# KiCad board MAXI030.kicad_pcb
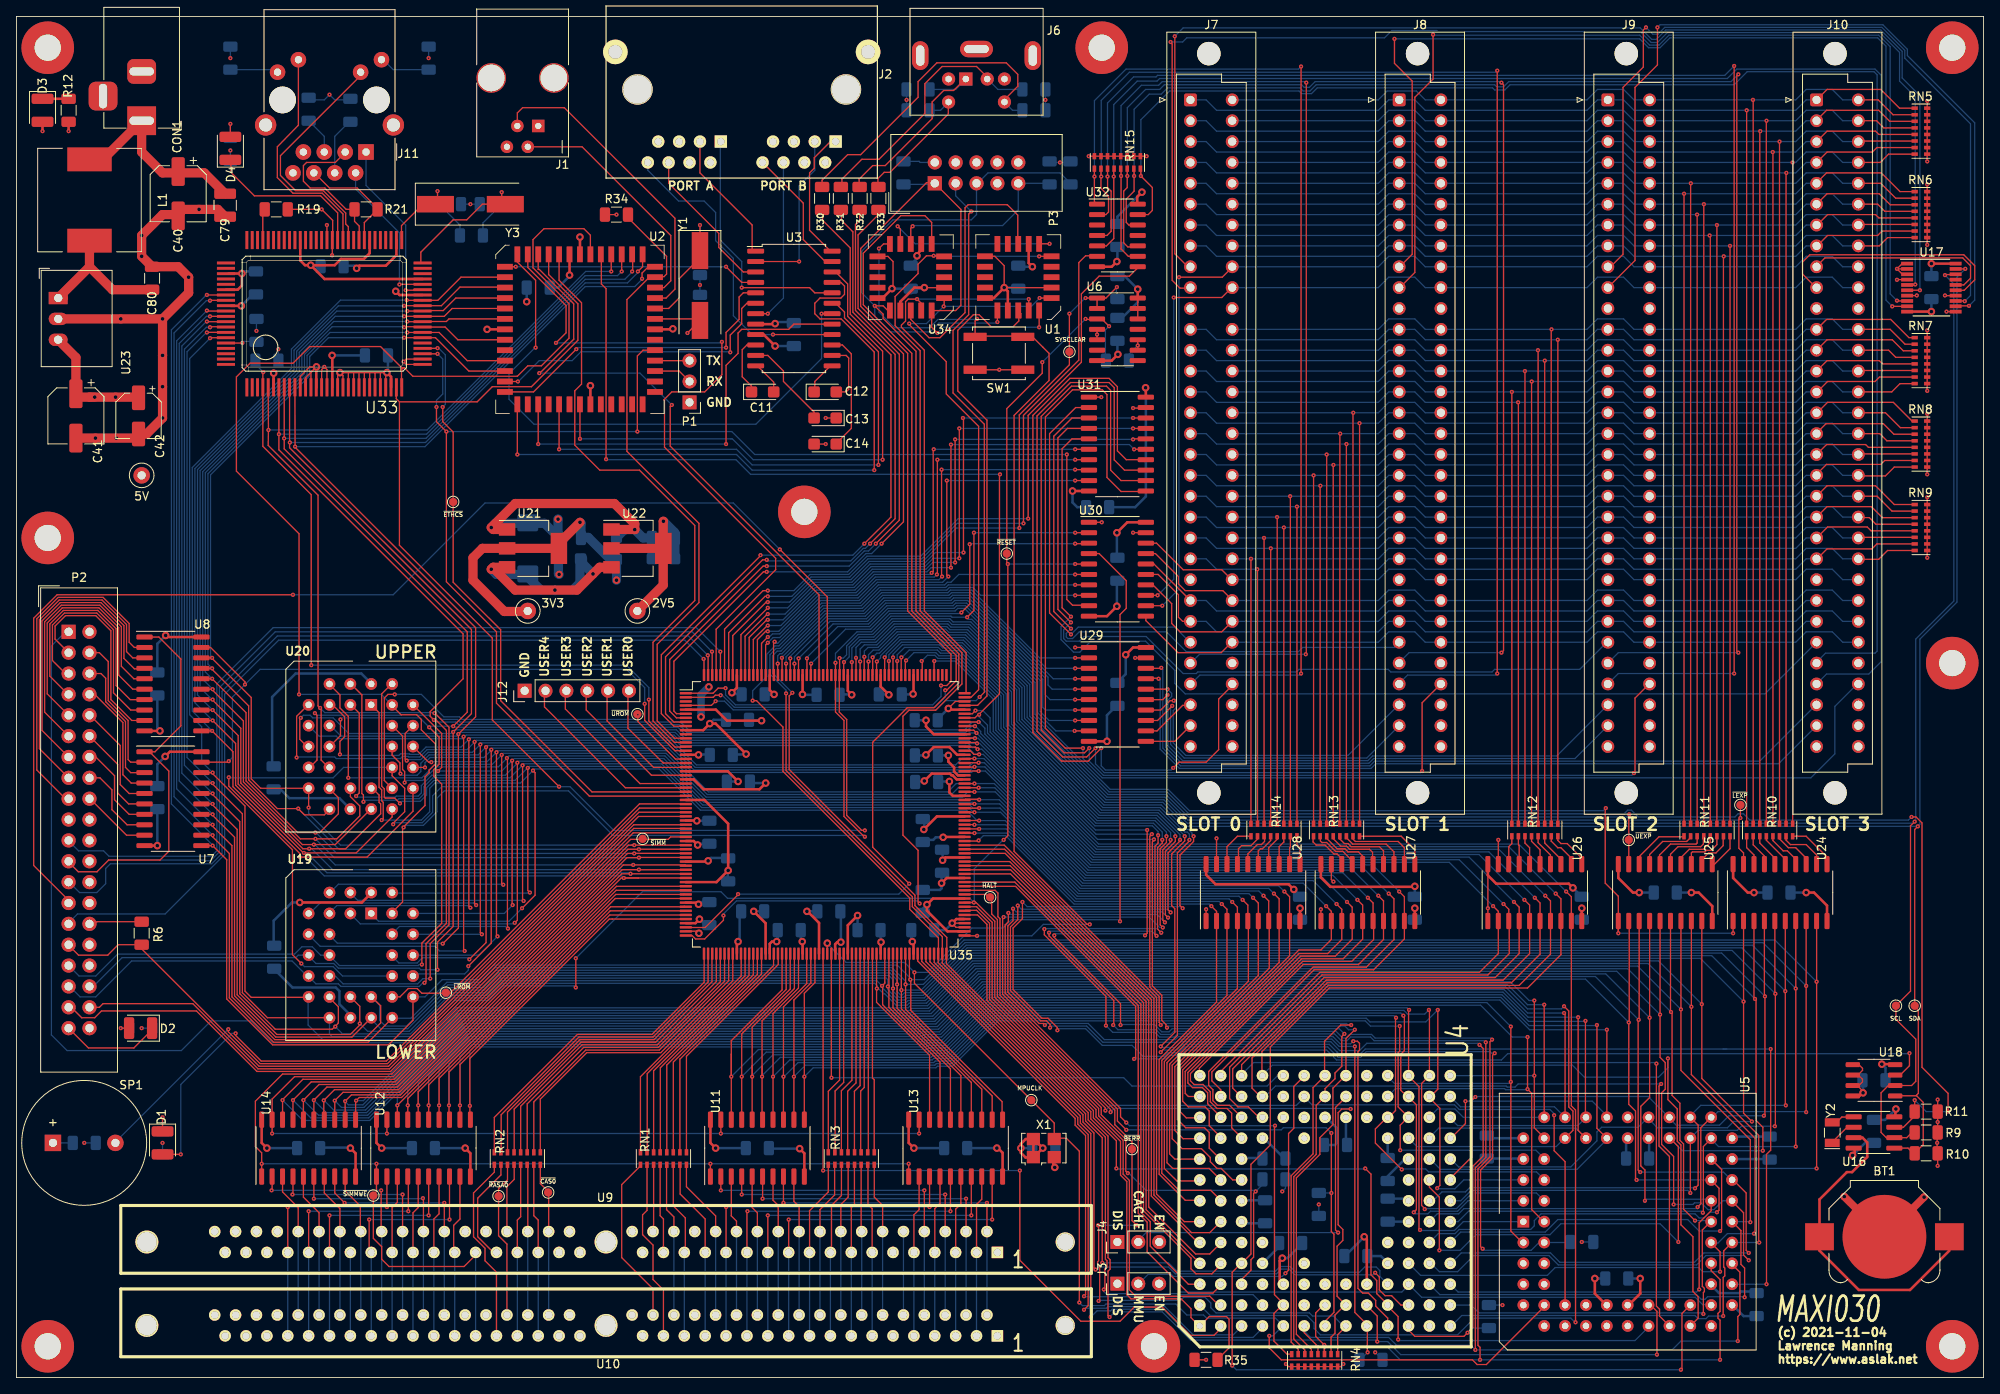
[diagram p0: board, top side]
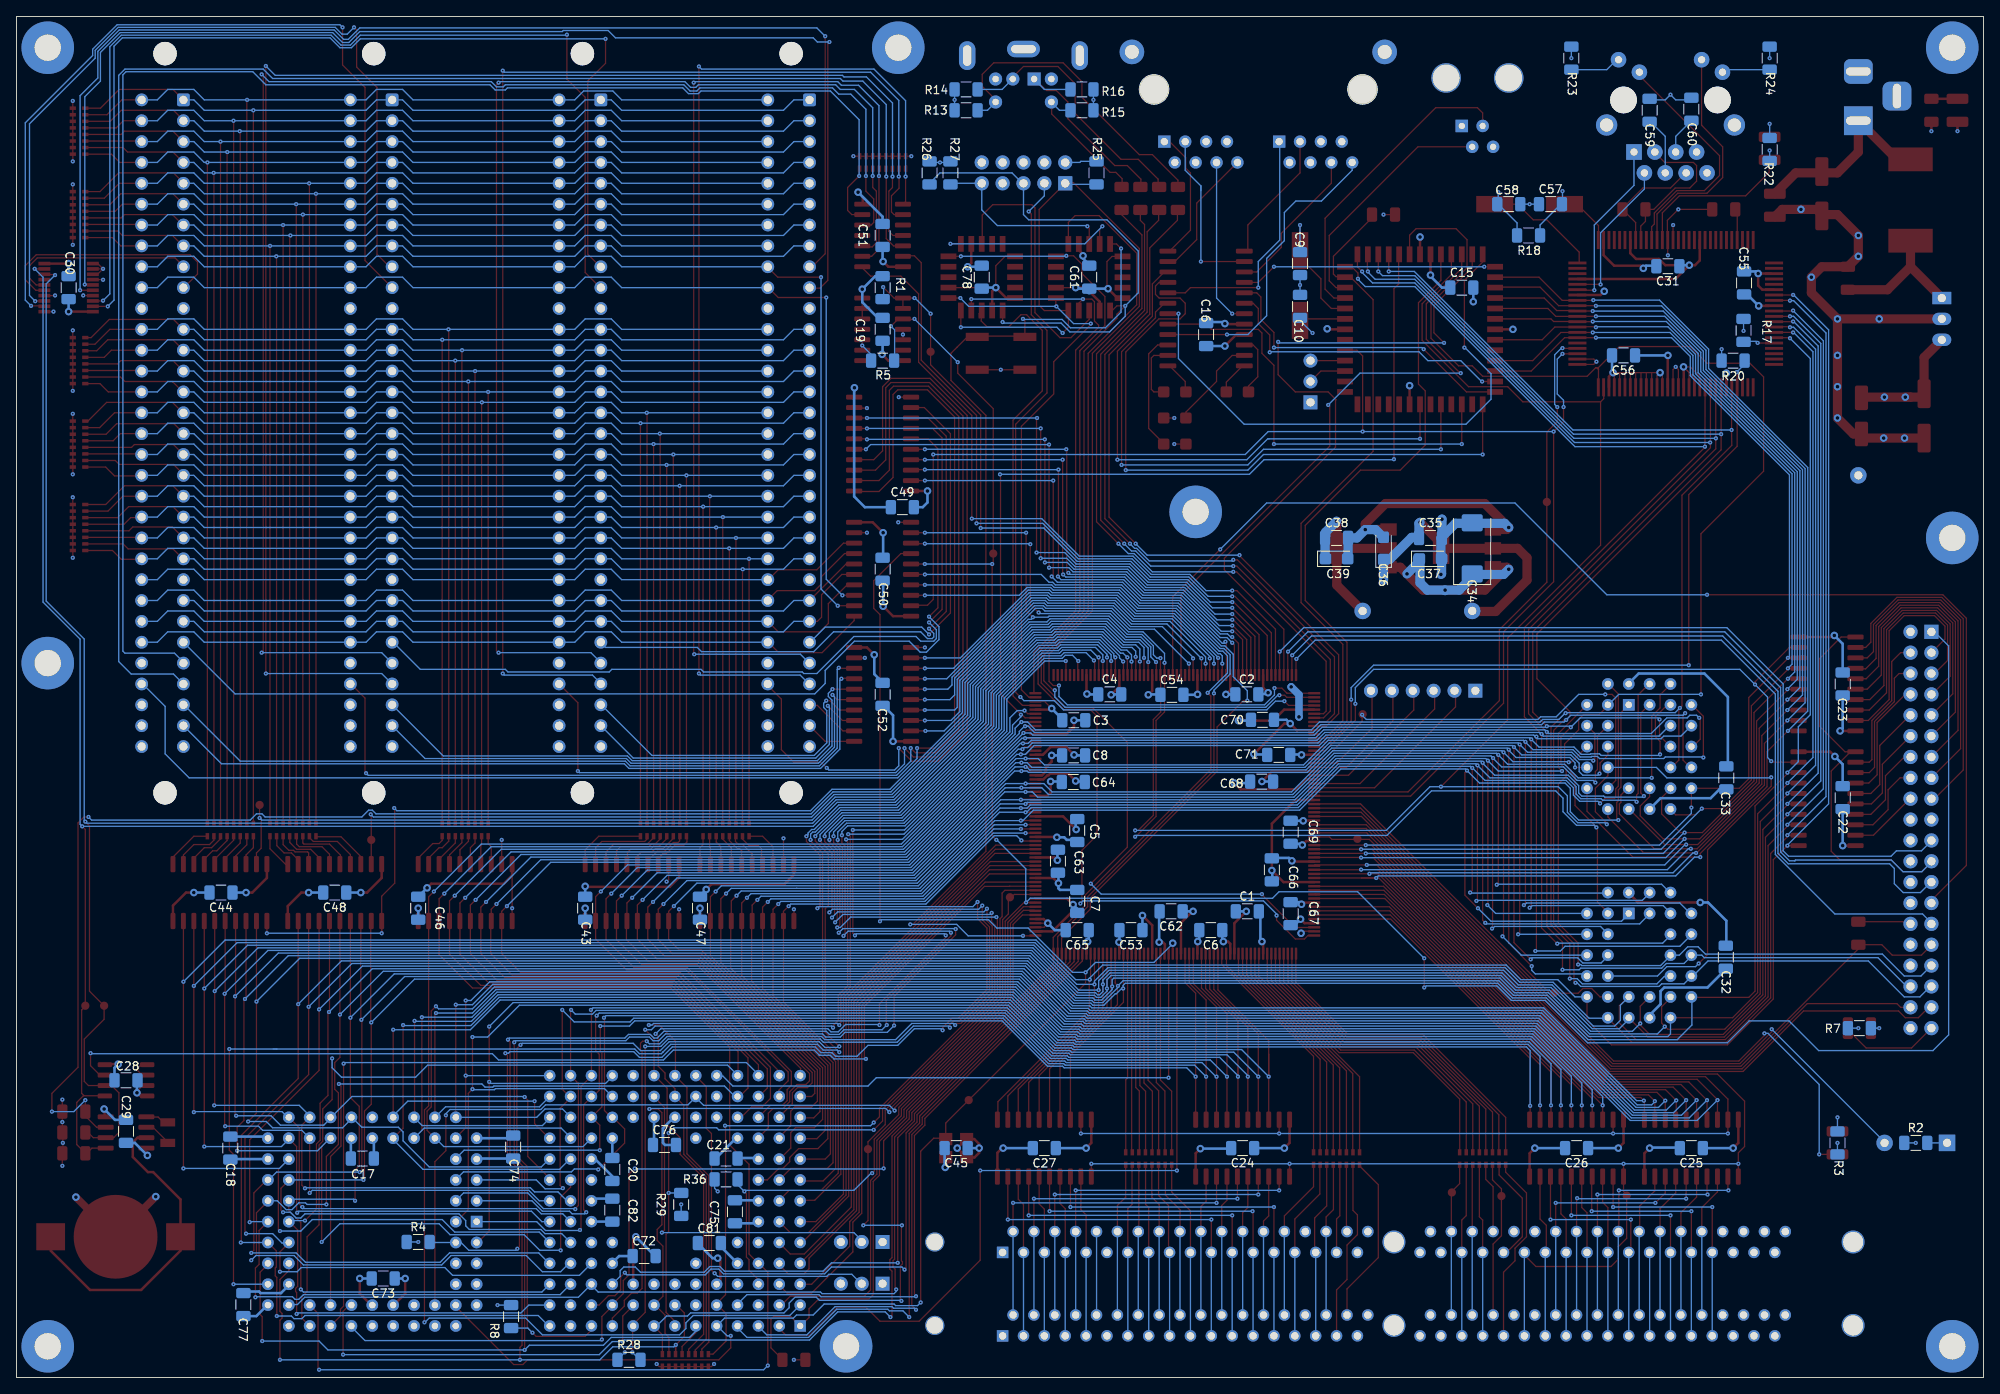
[diagram p1: board, bottom side, seen from below]

Outline 239.4 x 165.74 mm; copper layers: Top, Vcc.Cu (plane), GND..Cu (plane), Bottom. Coordinates in mm from the lower left corner of the outline.
Outline path: 0,165.74 239.4,165.74 239.4,0 0,0 0,165.74

## Placement (name value [footprint] x y rotation side)
BT1  Battery_Cell  [BatteryHolder_Keystone_3000_1x12mm]  227.33 17.15 0 top
C1  0.1u  [C_1206_3216Metric]  89.6 56.77 180 bottom
C2  0.1u  [C_1206_3216Metric]  89.66 83.19 180 bottom
C3  0.1u  [C_1206_3216Metric]  110.72 80.04 0 bottom
C4  0.1u  [C_1206_3216Metric]  106.35 83.19 180 bottom
C5  0.1u  [C_1206_3216Metric]  110.3 66.61 270 bottom
C6  0.1u  [C_1206_3216Metric]  94.05 54.48 0 bottom
C7  0.1u  [C_1206_3216Metric]  110.3 57.98 90 bottom
C8  0.1u  [C_1206_3216Metric]  110.74 75.76 180 bottom
C9  22p  [C_1206_3216Metric]  83.19 135.64 270 bottom
C10  22p  [C_1206_3216Metric]  83.19 130.43 90 bottom
C11  1.0u  [CP_EIA-3216-18_Kemet-A]  90.81 120.02 0 top
C12  1.0u  [CP_EIA-3216-18_Kemet-A]  98.43 120.02 0 top
C13  1.0u  [CP_EIA-3216-18_Kemet-A]  98.43 116.84 180 top
C14  1.0u  [CP_EIA-3216-18_Kemet-A]  98.43 113.66 180 top
C15  0.1u  [C_1206_3216Metric]  63.5 132.72 180 bottom
C16  0.1u  [C_1206_3216Metric]  94.62 127 90 bottom
C17  0.1u  [C_1206_3216Metric]  197.29 26.67 0 bottom
C18  0.1u  [C_1206_3216Metric]  213.36 27.94 270 bottom
C19  0.1u  [C_1206_3216Metric]  133.99 127.63 270 bottom
C20  0.1u  [C_1206_3216Metric]  166.88 25.34 270 bottom
C21  0.1u  [C_1206_3216Metric]  153.04 26.67 180 bottom
C22  0.1u  [C_1206_3216Metric]  17.15 70.62 270 bottom
C23  0.1u  [C_1206_3216Metric]  17.15 84.46 270 bottom
C24  0.1u  [C_1206_3216Metric]  90.17 27.94 0 bottom
C25  0.1u  [C_1206_3216Metric]  35.56 27.94 0 bottom
C26  0.1u  [C_1206_3216Metric]  49.53 27.94 0 bottom
C27  0.1u  [C_1206_3216Metric]  114.3 27.94 0 bottom
C28  0.1u  [C_1206_3216Metric]  226.06 36.2 0 bottom
C29  0.1u  [C_1206_3216Metric]  226.06 29.98 270 bottom
C30  0.1u  [C_1206_3216Metric]  233.05 132.72 270 bottom
C31  0.1u  [C_1206_3216Metric]  38.42 135.32 0 bottom
C32  0.1u  [C_1206_3216Metric]  31.37 51.18 270 bottom
C33  0.1u  [C_1206_3216Metric]  31.31 73.03 270 bottom
C34  47u  [CP_EIA-7343-15_Kemet-W]  62.23 100.97 90 bottom
C35  0.1u  [C_1206_3216Metric]  67.31 102.24 180 bottom
C36  10u  [CP_EIA-3216-10_Kemet-I]  73.03 100.97 90 bottom
C37  10u  [CP_EIA-3216-10_Kemet-I]  67.31 99.69 180 bottom
C38  0.1u  [C_1206_3216Metric]  78.74 102.24 180 bottom
C39  10u  [CP_EIA-3216-10_Kemet-I]  78.74 99.69 180 bottom
C40  470u  [CP_Elec_6.3x7.7]  19.69 144.15 270 top
C41  220u  [CP_Elec_6.3x7.7]  7.24 117.09 270 top
C42  10u  [CP_Elec_5x5.7]  14.86 117.09 270 top
C43  0.1u  [C_1206_3216Metric]  170.18 57.15 270 bottom
C44  0.1u  [C_1206_3216Metric]  214.5 59.06 0 bottom
C45  0.1u  [C_1206_3216Metric]  125.03 27.94 0 bottom
C46  0.1u  [C_1206_3216Metric]  190.5 57.15 270 bottom
C47  0.1u  [C_1206_3216Metric]  156.21 57.15 270 bottom
C48  0.1u  [C_1206_3216Metric]  200.66 59.06 0 bottom
C49  0.1u  [C_1206_3216Metric]  131.58 105.98 180 bottom
C50  0.1u  [C_1206_3216Metric]  133.99 98.43 270 bottom
C51  0.1u  [C_1206_3216Metric]  133.99 139.06 270 bottom
C52  0.1u  [C_1206_3216Metric]  133.99 83.19 270 bottom
C53  0.1u  [C_1206_3216Metric]  103.76 54.48 0 bottom
C54  0.1u  [C_1206_3216Metric]  98.78 83.13 180 bottom
C55  0.1u  [C_1206_3216Metric]  29.15 133.29 90 bottom
C56  0.1u  [C_1206_3216Metric]  43.82 124.46 0 bottom
C57  22p  [C_1206_3216Metric]  52.71 142.88 180 bottom
C58  22p  [C_1206_3216Metric]  57.79 142.88 0 bottom
C59  10n  [C_1206_3216Metric]  40.64 154.31 90 bottom
C60  10n  [C_1206_3216Metric]  35.56 154.44 90 bottom
C61  0.1u  [C_1206_3216Metric]  108.84 133.99 90 bottom
C62  0.1u  [C_1206_3216Metric]  98.87 56.77 0 bottom
C63  0.1u  [C_1206_3216Metric]  112.65 62.87 270 bottom
C64  0.1u  [C_1206_3216Metric]  110.77 72.52 0 bottom
C65  0.1u  [C_1206_3216Metric]  110.3 54.48 0 bottom
C66  0.1u  [C_1206_3216Metric]  86.61 61.83 90 bottom
C67  0.1u  [C_1206_3216Metric]  84.33 56.49 90 bottom
C68  0.1u  [C_1206_3216Metric]  87.86 72.57 0 bottom
C69  0.1u  [C_1206_3216Metric]  84.33 66.4 90 bottom
C70  0.1u  [C_1206_3216Metric]  87.75 80.09 180 bottom
C71  0.1u  [C_1206_3216Metric]  85.78 75.82 0 bottom
C72  0.1u  [C_1206_3216Metric]  163 14.8 180 bottom
C73  0.1u  [C_1206_3216Metric]  194.76 12.06 0 bottom
C74  0.1u  [C_1206_3216Metric]  178.94 28.07 270 bottom
C75  0.1u  [C_1206_3216Metric]  151.96 20.19 90 bottom
C76  0.1u  [C_1206_3216Metric]  160.53 28.32 180 bottom
C77  0.1u  [C_1206_3216Metric]  211.77 8.89 90 bottom
C78  0.1u  [C_1206_3216Metric]  121.92 133.99 90 bottom
C79  10u  [C_1210_3225Metric]  25.4 142.75 270 top
C80  4.7u  [C_1206_3216Metric]  16.51 133.85 90 top
C81  0.1u  [C_1206_3216Metric]  155.07 16.38 0 bottom
C82  0.1u  [C_1206_3216Metric]  166.88 20.39 90 bottom
CON1  POWERLJACK  [BarrelJack_Horizontal]  15.24 153.03 270 top
D1  CORELED  [LED_1210_3225Metric]  17.78 28.58 270 top
D2  IDELED  [LED_1210_3225Metric]  15.11 42.55 180 top
D3  POWERLED  [LED_1210_3225Metric]  3.18 154.31 270 top
D4  LED  [LED_1210_3225Metric]  26.04 149.67 90 top
H1  MountingHole_Pad  [MountingHole_3.2mm_M3_Pad]  3.81 161.93 0 top
H2  MountingHole_Pad  [MountingHole_3.2mm_M3_Pad]  132.08 161.93 0 top
H3  MountingHole_Pad  [MountingHole_3.2mm_M3_Pad]  235.59 3.81 0 top
H4  MountingHole_Pad  [MountingHole_3.2mm_M3_Pad]  235.59 161.93 0 top
H5  MountingHole_Pad  [MountingHole_3.2mm_M3_Pad]  3.81 3.81 0 top
H6  MountingHole_Pad  [MountingHole_3.2mm_M3_Pad]  235.59 87 0 top
H7  MountingHole_Pad  [MountingHole_3.2mm_M3_Pad]  138.43 3.81 0 top
H8  MountingHole_Pad  [MountingHole_3.2mm_M3_Pad]  3.81 102.24 0 top
H9  MountingHole_Pad  [MountingHole_3.2mm_M3_Pad]  95.89 105.41 0 top
J1  RJ10_KEYBOARD  [RJ10]  64.77 149.86 180 top
J2  DUALRJ45_RS232  [DUALRJ45]  88.27 147.96 180 top
J3  Conn_01x03  [PinHeader_1x03_P2.54mm_Vertical]  133.99 11.43 90 top
J4  Conn_01x03  [PinHeader_1x03_P2.54mm_Vertical]  133.99 16.51 90 top
J6  Mini-DIN-6  [Connector_Mini-DIN_Female_6Pin_2rows]  115.54 158.12 180 top
J7  DIN_41612_3x32_MIDI020_EXP  [DIN41612_C_2x32_Female_Vertical_THT]  142.88 155.58 0 top
J8  DIN_41612_3x32_MIDI020_EXP  [DIN41612_C_2x32_Female_Vertical_THT]  168.28 155.58 0 top
J9  DIN_41612_3x32_MIDI020_EXP  [DIN41612_C_2x32_Female_Vertical_THT]  193.68 155.58 0 top
J10  DIN_41612_3x32_MIDI020_EXP  [DIN41612_C_2x32_Female_Vertical_THT]  219.08 155.58 0 top
J11  -  [RJ45_Amphenol_RJMG1BD3B8K1ANR]  42.55 149.22 180 top
J12  Conn_01x06  [PinHeader_1x06_P2.54mm_Vertical]  61.85 83.63 90 top
L1  10u  [L_12x12mm_H4.5mm]  8.89 143.38 270 top
P1  TTL_SERIAL  [PinHeader_1x03_P2.54mm_Vertical]  81.92 118.75 180 top
P2  CONN_02X20_IDE  [IDC-Header_2x20_P2.54mm_Vertical]  6.35 90.81 0 top
P3  JTAG  [IDC-Header_2x05_P2.54mm_Vertical]  111.76 145.41 90 top
R1  4.7K  [R_1206_3216Metric]  133.99 132.72 270 bottom
R2  1K  [R_1206_3216Metric]  8.26 28.58 180 bottom
R3  1K  [R_1206_3216Metric]  17.78 28.57 90 bottom
R4  4.7K  [R_1206_3216Metric]  190.5 16.51 180 bottom
R5  4.7K  [R_1206_3216Metric]  133.99 123.83 0 bottom
R6  4.7K  [R_1206_3216Metric]  15.24 54.11 270 top
R7  1K  [R_1206_3216Metric]  15.11 42.55 180 bottom
R8  4.7K  [R_1206_3216Metric]  179.2 7.43 270 bottom
R9  4.7K  [R_1206_3216Metric]  232.41 29.84 180 top
R10  4.7K  [R_1206_3216Metric]  232.41 27.31 180 top
R11  4.7K  [R_1206_3216Metric]  232.41 32.39 180 top
R12  1K  [R_1206_3216Metric]  6.35 154.31 270 top
R13  4.7K  [R_1206_3216Metric]  123.83 154.31 0 bottom
R14  4.7K  [R_1206_3216Metric]  123.83 156.84 0 bottom
R15  4.7K  [R_1206_3216Metric]  109.73 154.31 180 bottom
R16  4.7K  [R_1206_3216Metric]  109.73 156.84 180 bottom
R17  27K  [R_1206_3216Metric]  29.21 127.5 270 bottom
R18  1M  [R_1206_3216Metric]  55.38 139.06 180 bottom
R19  10K  [R_1206_3216Metric]  31.62 142.24 180 top
R20  1K  [R_1206_3216Metric]  30.48 123.83 180 bottom
R21  200  [R_1206_3216Metric]  42.55 142.24 0 top
R22  1K  [R_1206_3216Metric]  26.04 149.54 90 bottom
R23  1K  [R_1206_3216Metric]  50.17 160.66 90 bottom
R24  1K  [R_1206_3216Metric]  26.04 160.66 90 bottom
R25  1K  [R_1206_3216Metric]  107.95 146.69 90 bottom
R26  1K  [R_1206_3216Metric]  128.27 146.69 270 bottom
R27  1K  [R_1206_3216Metric]  125.73 146.69 270 bottom
R28  4.7K  [R_1206_3216Metric]  164.85 2.16 180 bottom
R29  4.7K  [R_1206_3216Metric]  158.5 21.08 90 bottom
R30  120  [R_1206_3216Metric]  98.04 143.57 90 top
R31  120  [R_1206_3216Metric]  100.33 143.57 90 top
R32  120  [R_1206_3216Metric]  102.62 143.57 270 top
R33  120  [R_1206_3216Metric]  104.9 143.57 270 top
R34  4.7K  [R_1206_3216Metric]  73.03 141.6 180 top
R35  4.7K  [R_1206_3216Metric]  144.78 2.16 0 top
R36  4.7K  [R_1206_3216Metric]  153.04 24.13 180 bottom
RN1  33  [R_Cat16-8]  78.74 26.67 270 top
RN2  33  [R_Cat16-8]  60.96 26.67 270 top
RN3  33  [R_Cat16-8]  101.6 26.67 270 top
RN4  4.7K  [R_Cat16-8]  157.99 2.1 270 top
RN5  10K  [R_Cat16-8]  231.78 151.77 0 top
RN6  10K  [R_Cat16-8]  231.78 141.6 0 top
RN7  10K  [R_Cat16-8]  231.78 123.83 0 top
RN8  10K  [R_Cat16-8]  231.78 113.66 0 top
RN9  10K  [R_Cat16-8]  231.78 103.5 0 top
RN10  33  [R_Cat16-8]  213.36 66.67 90 top
RN11  33  [R_Cat16-8]  205.74 66.67 90 top
RN12  33  [R_Cat16-8]  184.79 66.67 90 top
RN13  33  [R_Cat16-8]  160.66 66.67 90 top
RN14  33  [R_Cat16-8]  153.04 66.67 90 top
RN15  4.7K  [R_Cat16-8]  133.99 147.96 90 top
SP1  BUZZER  [Buzzer_15x7.5RM7.6]  4.45 28.58 0 top
SW1  RESETBUTTON  [SW_Push_1P1T_NO_CK_KSC6xxJ]  119.57 124.71 0 top
TP1  3V3  [TestPoint_Loop_D1.80mm_Drill1.0mm_Beaded]  62.23 93.34 0 top
TP2  2V5  [TestPoint_Loop_D1.80mm_Drill1.0mm_Beaded]  75.57 93.34 0 top
TP3  5V  [TestPoint_Loop_D1.80mm_Drill1.0mm_Beaded]  15.24 109.85 0 top
TP4  MPUCLK  [TestPoint_Pad_D1.0mm]  123.51 33.78 0 top
TP5  ~{RESET}  [TestPoint_Pad_D1.0mm]  120.52 100.33 0 top
TP6  ~{RASA0}  [TestPoint_Pad_D1.0mm]  58.67 22.1 0 top
TP7  ~{CAS0}  [TestPoint_Pad_D1.0mm]  64.71 22.54 0 top
TP8  ~{SIMMWE}  [TestPoint_Pad_D1.0mm]  43.43 22.16 0 top
TP9  ~{SIMM}  [TestPoint_Pad_D1.0mm]  76.2 65.6 0 top
TP10  SYSCLEAR  [TestPoint_Pad_D1.0mm]  128.14 124.9 0 top
TP11  ~{LEXP}  [TestPoint_Pad_D1.0mm]  209.8 69.72 0 top
TP12  ~{UEXP}  [TestPoint_Pad_D1.0mm]  196.22 65.47 0 top
TP13  ~{LROM}  [TestPoint_Pad_D1.0mm]  52.26 46.86 0 top
TP14  ~{UROM}  [TestPoint_Pad_D1.0mm]  75.57 80.77 0 top
TP15  ~{ETHCS}  [TestPoint_Pad_D1.0mm]  53.15 106.62 0 top
TP16  ~{HALT}  [TestPoint_Pad_D1.0mm]  118.49 58.48 0 top
TP17  ~{BERR}  [TestPoint_Pad_D1.0mm]  135.76 27.81 0 top
TP18  SCL  [TestPoint_Pad_D1.0mm]  228.73 45.28 0 top
TP19  SDA  [TestPoint_Pad_D1.0mm]  231.01 45.28 0 top
U1  EPC2  [PLCC-20]  121.92 133.99 180 top
U2  SC26C94  [PLCC-52]  68.58 127.63 0 top
U3  MAX238  [SOIC-24W_7.5x15.4mm_P1.27mm]  94.62 130.18 0 top
U4  MC68030RC  [PGA128]  159.26 21.53 270 top
U5  68882  [PLCC-68_THT-Socket]  183.39 18.99 90 top
U6  74LS03  [SOIC-14_3.9x8.7mm_P1.27mm]  133.99 127.63 0 top
U7  74HCT245  [SO-20_5.3x12.6mm_P1.27mm]  19.05 70.49 0 top
U8  74HCT245  [SO-20_5.3x12.6mm_P1.27mm]  19.05 84.46 0 top
U9  SIM72Pin  [SIMM72Pins]  71.76 16.51 0 top
U10  SIM72Pin  [SIMM72Pins]  71.76 6.35 0 top
U11  74HCT245  [SO-20_5.3x12.6mm_P1.27mm]  90.17 27.94 90 top
U12  74HCT245  [SO-20_5.3x12.6mm_P1.27mm]  49.53 27.94 90 top
U13  74HCT245  [SO-20_5.3x12.6mm_P1.27mm]  114.3 27.94 90 top
U14  74HCT245  [SO-20_5.3x12.6mm_P1.27mm]  35.56 27.94 90 top
U16  LM75A  [SO-8_3.9x4.9mm_P1.27mm]  226.06 36.2 180 top
U17  PCA9544APW  [TSSOP-20_4.4x6.5mm_P0.65mm]  233.05 132.72 0 top
U18  DS1307Z+  [SOIC-8_3.9x4.9mm_P1.27mm]  226.06 29.84 0 top
U19  SST39SF040-PC32  [PLCC-32_THT-Socket]  43.18 56.52 0 top
U20  SST39SF040-PC32  [PLCC-32_THT-Socket]  43.18 81.91 0 top
U21  AZ1117-3.3  [SOT-223-3_TabPin2]  62.87 100.97 0 top
U22  AZ1117-2.5  [SOT-223-3_TabPin2]  75.57 100.97 0 top
U23  R-78B5.0-2.0  [Converter_DCDC_RECOM_R-78E-0.5_THT]  5.08 131.44 270 top
U24  74HCT245  [SO-20_5.3x12.6mm_P1.27mm]  214.63 59.06 90 top
U25  74HCT245  [SO-20_5.3x12.6mm_P1.27mm]  200.66 59.06 90 top
U26  74HCT245  [SO-20_5.3x12.6mm_P1.27mm]  184.79 59.06 90 top
U27  74HCT245  [SO-20_5.3x12.6mm_P1.27mm]  164.47 59.06 90 top
U28  74HCT245  [SO-20_5.3x12.6mm_P1.27mm]  150.5 59.06 90 top
U29  74HCT245  [SO-20_5.3x12.6mm_P1.27mm]  133.99 83.19 0 top
U30  74HCT245  [SO-20_5.3x12.6mm_P1.27mm]  133.99 98.43 0 top
U31  74HCT245  [SO-20_5.3x12.6mm_P1.27mm]  133.99 113.66 0 top
U32  74LS21  [SOIC-14_3.9x8.7mm_P1.27mm]  133.99 139.06 0 top
U33  -  [RTL8019AS]  37.47 129.54 0 top
U34  EPC2  [PLCC-20]  108.84 133.97 180 top
U35  EPF10K130EQC240  [PQFP-240_32.1x32.1mm_P0.5mm]  98.43 68.58 0 top
X1  MPUOSC  [Oscillator_SMD_SeikoEpson_SG8002LB-4Pin_5.0x3.2mm]  125.03 27.94 0 top
Y1  7.3728M  [Crystal_SMD_HC49-SD]  83.19 132.97 270 top
Y2  32.768  [Crystal_SMD_EuroQuartz_EQ161-2Pin_3.2x1.5mm]  220.98 29.83 90 top
Y3  20M  [Crystal_SMD_HC49-SD]  55.25 142.88 0 top

## Footprints (pads in the part's own frame, mm; a bottom-side part is the same pattern mirrored in y, then rotated)
BarrelJack_Horizontal
  rect 3.5x3.5 hole 1x3: 1(0,0)
  rrect 3x3.5 hole 1x3: 2(-6,0)
  rrect 3.5x3.5 hole 3x1: 3(-3,-4.7)
BatteryHolder_Keystone_3000_1x12mm
  rect 3.5x3.3 smd: 1(-7.9,0) 1(7.9,0)
  round 10.2 smd: 2(0,0)
Buzzer_15x7.5RM7.6
  rect 2x2 hole 1: 1(0,0)
  round 2 hole 1: 2(7.6,0)
C_1206_3216Metric
  rrect 1.25x1.75 smd: 1(-1.4,0) 2(1.4,0)
C_1210_3225Metric
  rrect 1.25x2.65 smd: 1(-1.4,0) 2(1.4,0)
Connector_Mini-DIN_Female_6Pin_2rows
  rect 1.6x1.6 hole 0.8: 1(0,0)
  round 1.6 hole 0.8: 2(-2.6,0) 3(2.1,0) 4(-4.7,0) 5(2.1,2.8) 6(-4.7,2.8)
  oval 2x3.5 hole 1x2.5: 7(-8.15,-2.85) 7(5.55,-2.85)
  oval 4x2 hole 3x1: 7(-1.3,-3.65)
Converter_DCDC_RECOM_R-78E-0.5_THT
  rect 1.5x2.3 hole 1: 1(0,0)
  oval 1.5x2.3 hole 1: 2(2.54,0) 3(5.08,0)
CP_EIA-3216-10_Kemet-I
  rrect 1.4x1.35 smd: 1(-1.35,0) 2(1.35,0)
CP_EIA-3216-18_Kemet-A
  rrect 1.4x1.35 smd: 1(-1.35,0) 2(1.35,0)
CP_EIA-7343-15_Kemet-W
  rrect 2.075x2.55 smd: 1(-3.112,0) 2(3.112,0)
CP_Elec_5x5.7
  rrect 3x1.6 smd: 1(-2.2,0) 2(2.2,0)
CP_Elec_6.3x7.7
  rrect 3.5x1.6 smd: 1(-2.7,0) 2(2.7,0)
Crystal_SMD_EuroQuartz_EQ161-2Pin_3.2x1.5mm
  rect 1x1.8 smd: 1(-1.25,0) 2(1.25,0)
Crystal_SMD_HC49-SD
  rect 4.5x2 smd: 1(-4.25,0) 2(4.25,0)
DIN41612_C_2x32_Female_Vertical_THT
  round 2.85 hole 2.85 unplated: (2.24,5.63) (2.24,-84.37)
  rrect 1.55x1.55 hole 1: a1(0,0)
  round 1.55 hole 1: a2(0,-2.54) a3(0,-5.08) a4(0,-7.62) a5(0,-10.16) a6(0,-12.7) a7(0,-15.24) a8(0,-17.78) a9(0,-20.32) a10(0,-22.86) a11(0,-25.4) a12(0,-27.94) a13(0,-30.48) a14(0,-33.02) a15(0,-35.56) a16(0,-38.1) a17(0,-40.64) a18(0,-43.18) a19(0,-45.72) a20(0,-48.26) a21(0,-50.8) a22(0,-53.34) a23(0,-55.88) a24(0,-58.42) a25(0,-60.96) a26(0,-63.5) a27(0,-66.04) a28(0,-68.58) a29(0,-71.12) a30(0,-73.66) a31(0,-76.2) a32(0,-78.74) c1(5.08,0) c2(5.08,-2.54) c3(5.08,-5.08) c4(5.08,-7.62) c5(5.08,-10.16) c6(5.08,-12.7) c7(5.08,-15.24) c8(5.08,-17.78) c9(5.08,-20.32) c10(5.08,-22.86) c11(5.08,-25.4) c12(5.08,-27.94) c13(5.08,-30.48) c14(5.08,-33.02) c15(5.08,-35.56) c16(5.08,-38.1) c17(5.08,-40.64) c18(5.08,-43.18) c19(5.08,-45.72) c20(5.08,-48.26) c21(5.08,-50.8) c22(5.08,-53.34) c23(5.08,-55.88) c24(5.08,-58.42) c25(5.08,-60.96) c26(5.08,-63.5) c27(5.08,-66.04) c28(5.08,-68.58) c29(5.08,-71.12) c30(5.08,-73.66) c31(5.08,-76.2) c32(5.08,-78.74)
DUALRJ45
  round 3.7 hole 3.5 unplated: (-12.685,-8.89) (12.685,-8.89)
  rect 1.501x1.501 hole 0.899: A1(-11.43,-2.54) B1(2.54,-2.54)
  round 1.501 hole 0.899: A2(-10.16,0) A3(-8.89,-2.54) A4(-7.62,0) A5(-6.35,-2.54) A6(-5.08,0) A7(-3.81,-2.54) A8(-2.54,0) B2(3.81,0) B3(5.08,-2.54) B4(6.35,0) B5(7.62,-2.54) B6(8.89,0) B7(10.16,-2.54) B8(11.43,0)
  round 3 hole 1.7: GND(-15.38,-13.46) GND(15.38,-13.46)
IDC-Header_2x05_P2.54mm_Vertical
  rect 1.727x1.727 hole 1.016: 1(0,0)
  oval 1.727x1.727 hole 1.016: 2(2.54,0) 3(0,-2.54) 4(2.54,-2.54) 5(0,-5.08) 6(2.54,-5.08) 7(0,-7.62) 8(2.54,-7.62) 9(0,-10.16) 10(2.54,-10.16)
IDC-Header_2x20_P2.54mm_Vertical
  rect 1.727x1.727 hole 1.016: 1(0,0)
  oval 1.727x1.727 hole 1.016: 2(2.54,0) 3(0,-2.54) 4(2.54,-2.54) 5(0,-5.08) 6(2.54,-5.08) 7(0,-7.62) 8(2.54,-7.62) 9(0,-10.16) 10(2.54,-10.16) 11(0,-12.7) 12(2.54,-12.7) 13(0,-15.24) 14(2.54,-15.24) 15(0,-17.78) 16(2.54,-17.78) 17(0,-20.32) 18(2.54,-20.32) 19(0,-22.86) 20(2.54,-22.86) 21(0,-25.4) 22(2.54,-25.4) 23(0,-27.94) 24(2.54,-27.94) 25(0,-30.48) 26(2.54,-30.48) 27(0,-33.02) 28(2.54,-33.02) 29(0,-35.56) 30(2.54,-35.56) 31(0,-38.1) 32(2.54,-38.1) 33(0,-40.64) 34(2.54,-40.64) 35(0,-43.18) 36(2.54,-43.18) 37(0,-45.72) 38(2.54,-45.72) 39(0,-48.26) 40(2.54,-48.26)
L_12x12mm_H4.5mm
  rect 2.9x5.4 smd: 1(-4.95,0) 2(4.95,0)
LED_1210_3225Metric
  rrect 1.25x2.65 smd: 1(-1.4,0) 2(1.4,0)
MountingHole_3.2mm_M3_Pad
  round 6.4 hole 3.2: 1(0,0)
Oscillator_SMD_SeikoEpson_SG8002LB-4Pin_5.0x3.2mm
  rect 1.6x1.5 smd: 1(-1.27,-1.1) 2(1.27,-1.1) 3(1.27,1.1) 4(-1.27,1.1)
PGA128
  rect 1.397x1.397 hole 0.787: A1(15.24,-15.24)
  round 1.397 hole 0.787: A2(12.7,-15.24) A3(10.16,-15.24) A4(7.62,-15.24) A5(5.08,-15.24) A6(2.54,-15.24) A7(0,-15.24) A8(-2.54,-15.24) A9(-5.08,-15.24) A10(-7.62,-15.24) A11(-10.16,-15.24) A12(-12.7,-15.24) A13(-15.24,-15.24) B1(15.24,-12.7) B2(12.7,-12.7) B3(10.16,-12.7) B4(7.62,-12.7) B5(5.08,-12.7) B6(2.54,-12.7) B7(0,-12.7) B8(-2.54,-12.7) B9(-5.08,-12.7) B10(-7.62,-12.7) B11(-10.16,-12.7) B12(-12.7,-12.7) B13(-15.24,-12.7) C1(15.24,-10.16) C2(12.7,-10.16) C3(10.16,-10.16) C4(7.62,-10.16) C5(5.08,-10.16) C6(2.54,-10.16) C7(0,-10.16) C8(-2.54,-10.16) C9(-5.08,-10.16) C10(-7.62,-10.16) C11(-10.16,-10.16) C12(-12.7,-10.16) C13(-15.24,-10.16) D1(15.24,-7.62) D2(12.7,-7.62) D3(10.16,-7.62) D4(7.62,-7.62) D5(5.08,-7.62) D10(-7.62,-7.62) D11(-10.16,-7.62) D12(-12.7,-7.62) D13(-15.24,-7.62) E1(15.24,-5.08) E2(12.7,-5.08) E3(10.16,-5.08) E11(-10.16,-5.08) E12(-12.7,-5.08) E13(-15.24,-5.08) F1(15.24,-2.54) F2(12.7,-2.54) F3(10.16,-2.54) F4(7.62,-2.54) F10(-7.62,-2.54) F11(-10.16,-2.54) F12(-12.7,-2.54) F13(-15.24,-2.54) G1(15.24,0) G2(12.7,0) G3(10.16,0) G11(-10.16,0) G12(-12.7,0) G13(-15.24,0) H1(15.24,2.54) H2(12.7,2.54) H3(10.16,2.54) H11(-10.16,2.54) H12(-12.7,2.54) H13(-15.24,2.54) J1(15.24,5.08) J2(12.7,5.08) J3(10.16,5.08) J11(-10.16,5.08) J12(-12.7,5.08) J13(-15.24,5.08) K1(15.24,7.62) K2(12.7,7.62) K3(10.16,7.62) K4(7.62,7.62) K5(5.08,7.62) K10(-7.62,7.62) K11(-10.16,7.62) K12(-12.7,7.62) K13(-15.24,7.62) L1(15.24,10.16) L2(12.7,10.16) L3(10.16,10.16) L4(7.62,10.16) L5(5.08,10.16) L6(2.54,10.16) L7(0,10.16) L8(-2.54,10.16) L9(-5.08,10.16) L10(-7.62,10.16) L11(-10.16,10.16) L12(-12.7,10.16) L13(-15.24,10.16) M1(15.24,12.7) M2(12.7,12.7) M3(10.16,12.7) M4(7.62,12.7) M5(5.08,12.7) M6(2.54,12.7) M7(0,12.7) M8(-2.54,12.7) M9(-5.08,12.7) M10(-7.62,12.7) M11(-10.16,12.7) M12(-12.7,12.7) M13(-15.24,12.7) N1(15.24,15.24) N2(12.7,15.24) N3(10.16,15.24) N4(7.62,15.24) N5(5.08,15.24) N6(2.54,15.24) N7(0,15.24) N8(-2.54,15.24) N9(-5.08,15.24) N10(-7.62,15.24) N11(-10.16,15.24) N12(-12.7,15.24) N13(-15.24,15.24)
PinHeader_1x03_P2.54mm_Vertical
  rect 1.7x1.7 hole 1: 1(0,0)
  oval 1.7x1.7 hole 1: 2(0,-2.54) 3(0,-5.08)
PinHeader_1x06_P2.54mm_Vertical
  rect 1.7x1.7 hole 1: 1(0,0)
  oval 1.7x1.7 hole 1: 2(0,-2.54) 3(0,-5.08) 4(0,-7.62) 5(0,-10.16) 6(0,-12.7)
PLCC-20
  rect 0.7x1.925 smd: 1(0,4.053) 2(-1.27,4.053) 3(-2.54,4.053) 9(-2.54,-4.053) 10(-1.27,-4.053) 11(0,-4.053) 12(1.27,-4.053) 13(2.54,-4.053) 19(2.54,4.053) 20(1.27,4.053)
  rect 1.925x0.7 smd: 4(-4.053,2.54) 5(-4.053,1.27) 6(-4.053,0) 7(-4.053,-1.27) 8(-4.053,-2.54) 14(4.053,-2.54) 15(4.053,-1.27) 16(4.053,0) 17(4.053,1.27) 18(4.053,2.54)
PLCC-32_THT-Socket
  rect 1.422x1.422 hole 0.8: 1(0,0)
  round 1.422 hole 0.8: 2(-2.54,2.54) 3(-2.54,0) 4(-5.08,2.54) 5(-7.62,0) 6(-5.08,0) 7(-7.62,-2.54) 8(-5.08,-2.54) 9(-7.62,-5.08) 10(-5.08,-5.08) 11(-7.62,-7.62) 12(-5.08,-7.62) 13(-7.62,-10.16) 14(-5.08,-12.7) 15(-5.08,-10.16) 16(-2.54,-12.7) 17(-2.54,-10.16) 18(0,-12.7) 19(0,-10.16) 20(2.54,-12.7) 21(5.08,-10.16) 22(2.54,-10.16) 23(5.08,-7.62) 24(2.54,-7.62) 25(5.08,-5.08) 26(2.54,-5.08) 27(5.08,-2.54) 28(2.54,-2.54) 29(5.08,0) 30(2.54,2.54) 31(2.54,0) 32(0,2.54)